# Altium PCB Wild FDD V1.1.PcbDoc
Units mm, origin at the board's own origin, x right, y up, seen from the top; angles counter-clockwise.
Board outline 53 x 19 mm, 4 copper layers (Top Layer, GND-Layer, VDD-Layer, Bottom Layer), stack 1.042 mm thick; 48 components, 83 nets, 253 pads, 108 vias.
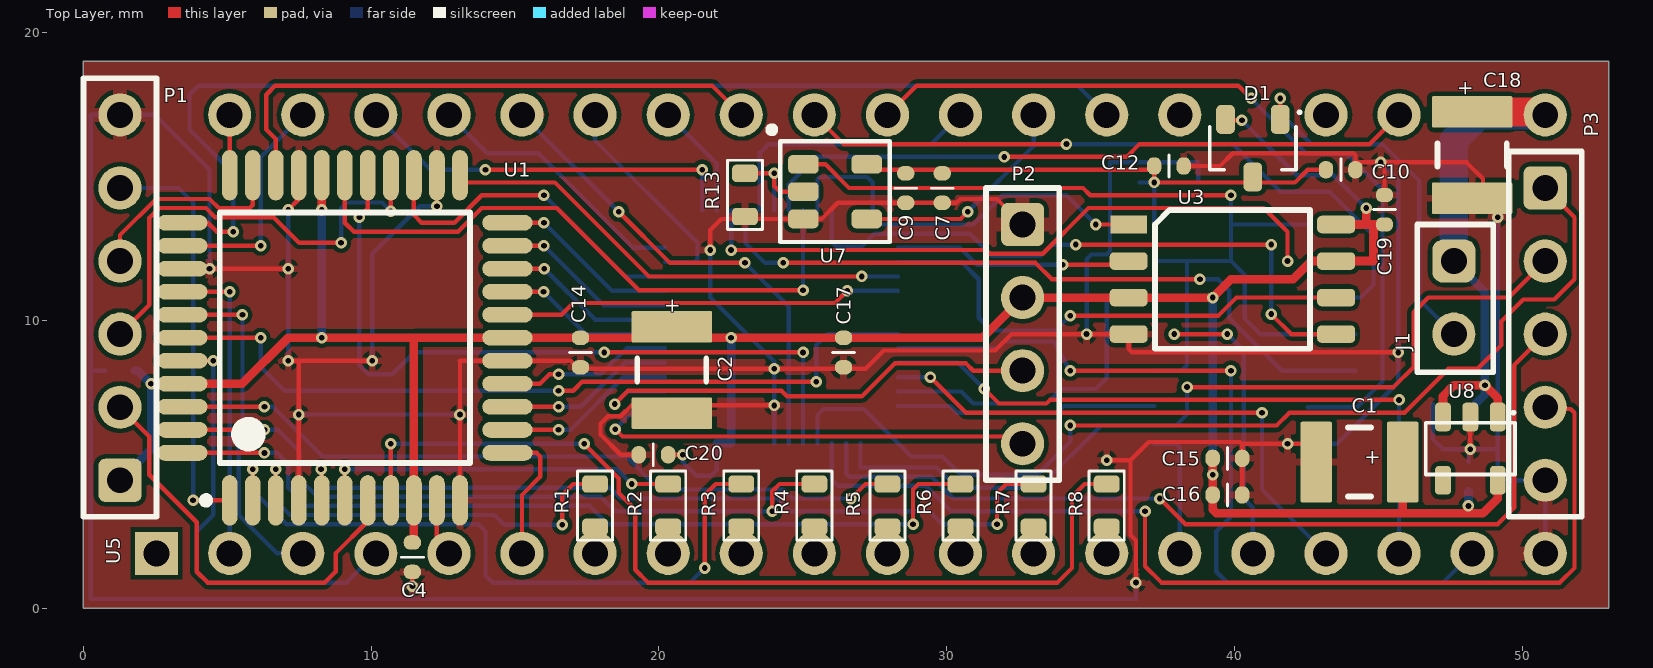
[diagram p0: Top Layer view]
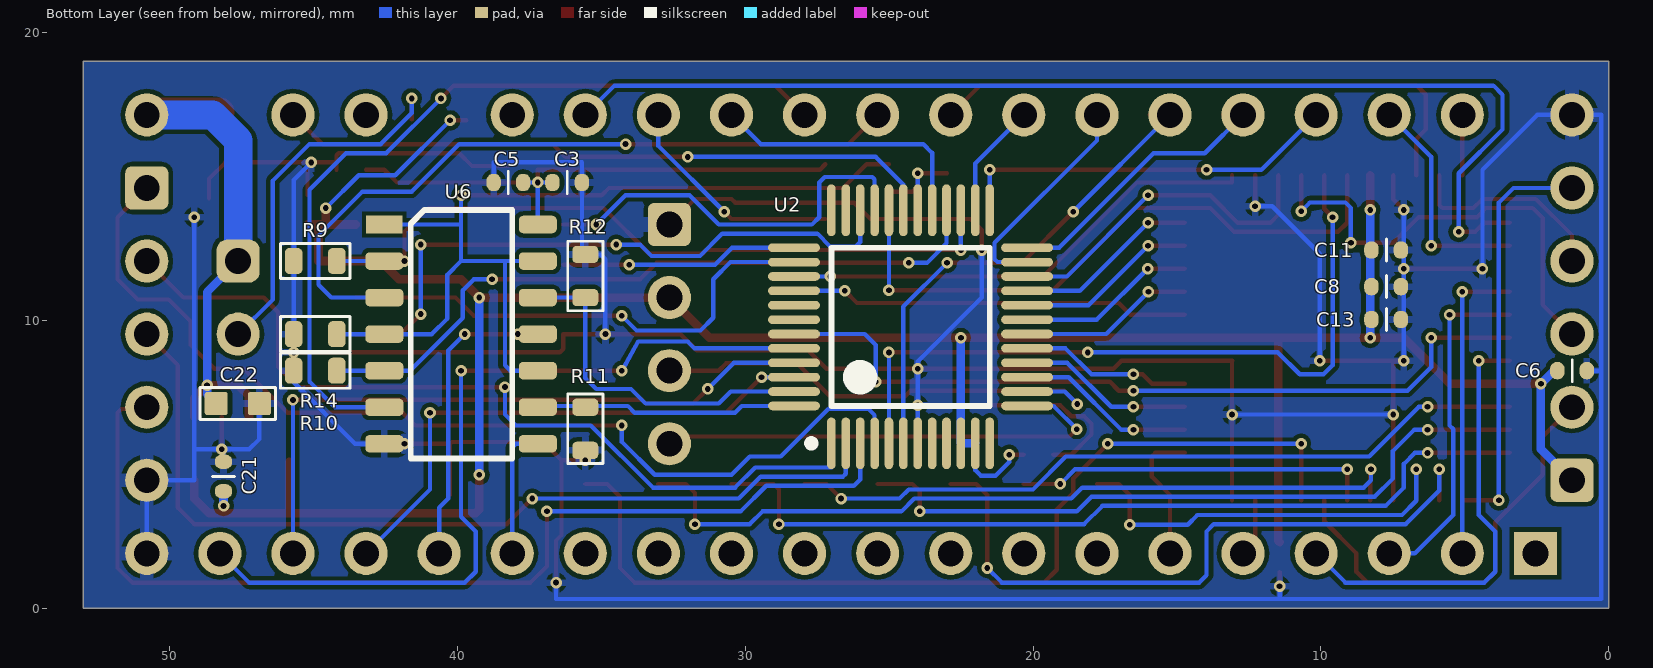
[diagram p1: Bottom Layer view, seen from below]
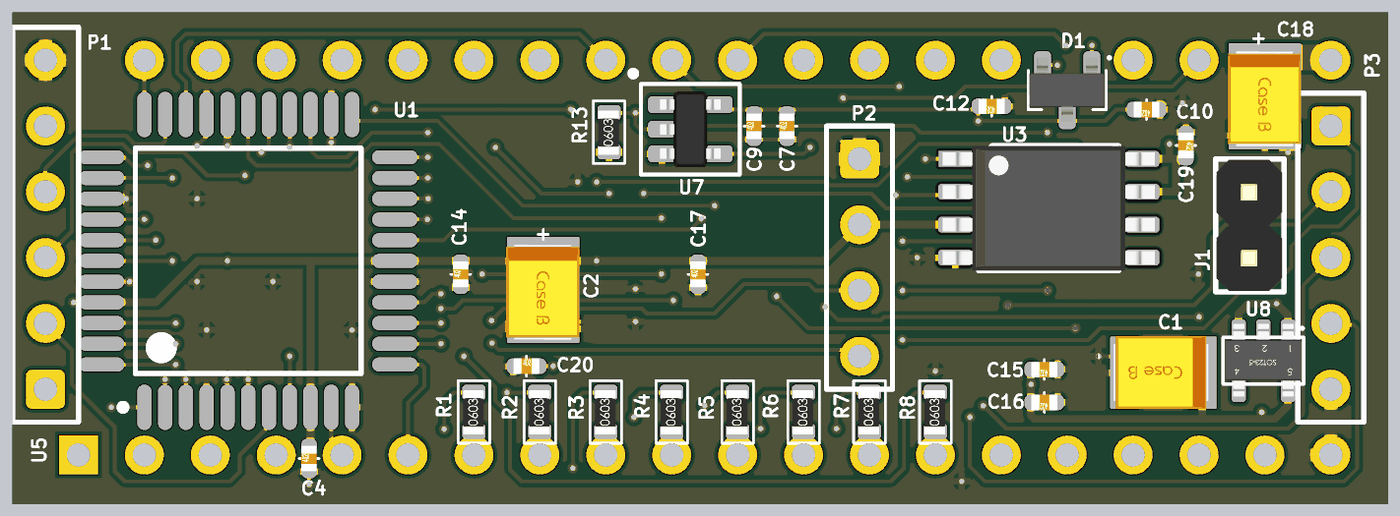
[diagram p2: 3D render of the assembled board from above, using the file's embedded part models]
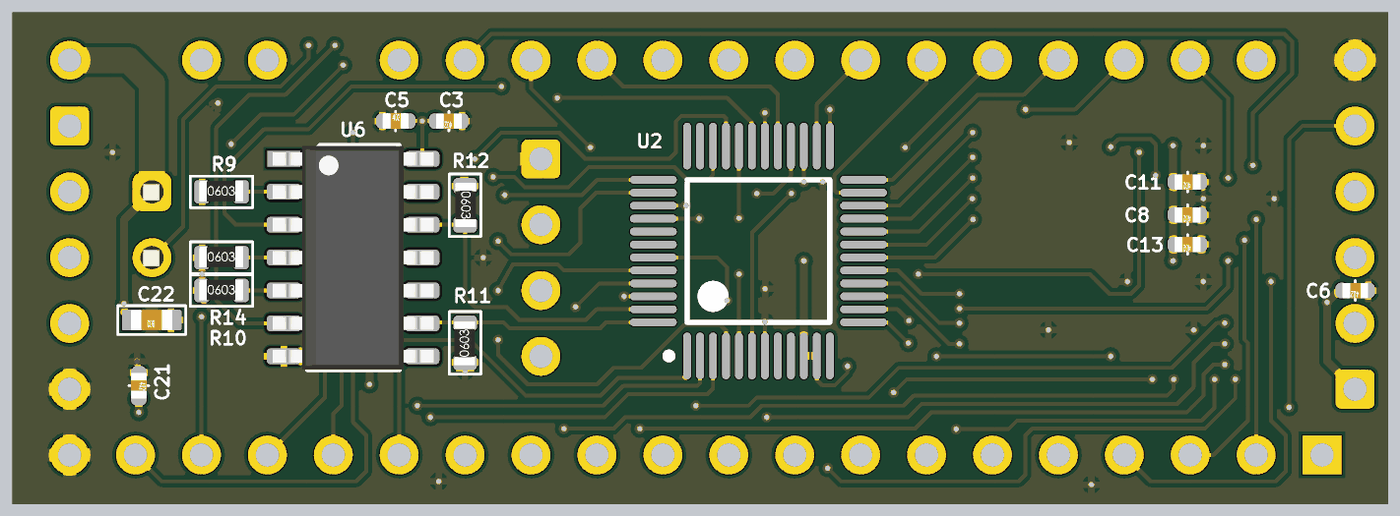
[diagram p3: 3D render of the assembled board from below, using the file's embedded part models]

## Layer stack, top to bottom
Top Layer: signal copper 0.0356
Dielectric: core 0.3, FR-4, Dk 4.8
GND-Layer: signal copper 0.0356
Dielectric: prepreg 0.3, FR-4, Dk 4.8
VDD-Layer: signal copper 0.0356
Dielectric: core 0.3, FR-4, Dk 4.8
Bottom Layer: signal copper 0.0356

## Board outline
0,0 0,19 53,19 53,0

## Design rules (kind name [scope] priority, off if disabled: settings)
Clearance [All] p1: gap=0.15
ComponentClearance [All] p1 off: gap=0.254 collisioncheckmode=3 verticalgap=0.25 showdistances=FALSE
FabricationTestPointUsage TestPointUsage [All] p1: valid=0 allowmultiple=FALSE
FabricationTestpoint Testpoint [All] p1: side=3 testpointundercomponent=TRUE minsize=1.016 maxsize=2.54 preferedsize=1.524 minholesize=0 maxholesize=1.016 preferedholesize=0.813 testpointgrid=0.025 allowsidetop=TRUE allowsidebottom=TRUE usegrid=TRUE gridtolerance=0
Height [All] p1 off: minheight=0 maxheight=25.4 prefheight=12.7
HoleSize [All] p1: absolutevalues=TRUE maxlimit=3.5 minlimit=0.2 maxpercent=80.000 minpercent=20.000
PolygonConnect PolygonConnect_BigHole [(IsVia And (HoleDiameter >= 0.4)) or (IsPad And (HoleDiameter >= 0.4))] p1: connectstyle=Relief reliefconductorwidth=0.5 reliefentries=4 polygonreliefangle="90 Angle"
PolygonConnect PolygonConnect_SmallHole [All] p2: connectstyle=Relief reliefconductorwidth=0.25 reliefentries=4 polygonreliefangle="90 Angle"
RoutingCorners [All] p1: cornerstyle=45-Degree minsetback=1 maxsetback=1
RoutingVias [All] p1: holewidth=0.4 width=0.6 viastyle="Through Hole" minholewidth=0.2 minwidth=0.4 maxholewidth=0.6 maxwidth=0.8
SilkscreenOverComponentPads [All] p1: minsilkscreentomaskgap=0.254
SolderMaskExpansion [All] p1: expansion=0.05
Width Width_GND [InNet('GND')] p1: maxlimit=2 minlimit=0.15 preferedwidth=0.3
Width Width_RFGSMC [InNet('RFGSMC')] p2: maxlimit=8 minlimit=0.15 preferedwidth=1.8
Width [All] p3: maxlimit=1 minlimit=0.15 preferedwidth=0.3
21 further rules are at their usual default settings.

## Components (designator, comment, footprint, x,y, rotation, side; value= is the part's Value field where it differs from the comment)
C1 "4.7uF" CAP_TAN_B 44.347,5.08 r180 top
C2 "4.7uF" CAP_TAN_B 20.447,8.279 r270 top
C3 "CAP" R1005_CAP 35.703,14.795 r0 bottom
C4 "CAP" R1005_CAP 11.43,1.286 r90 top
C5 "CAP" R1005_CAP 38.719,14.795 r180 bottom
C6 "CAP" R1005_CAP 0.778,8.255 r0 bottom
C7 "CAP" R1005_CAP 29.845,14.113 r90 top
C8 "CAP" R1005_CAP 7.239,11.176 r0 bottom
C9 "CAP" R1005_CAP 28.575,14.113 r90 top
C10 "CAP" R1005_CAP 44.18,15.24 r180 top
C11 "CAP" R1005_CAP 7.239,12.446 r0 bottom
C12 "CAP" R1005_CAP 38.211,15.367 r180 top
C13 "CAP" R1005_CAP 7.239,10.033 r0 bottom
C14 "CAP" R1005_CAP 17.272,8.398 r90 top
C15 "CAP" R1005_CAP 40.243,5.207 r180 top
C16 "CAP" R1005_CAP 40.243,3.937 r180 top
C17 "CAP" R1005_CAP 26.416,8.398 r90 top
C18 "4.7uF" CAP_TAN_B 48.26,15.748 r270 top
C19 "CAP" R1005_CAP 45.212,14.335 r270 top
C20 "CAP" R1005_CAP 19.32,5.334 r0 top
C21 "CAP" R1005_CAP 48.133,5.064 r270 bottom
C22 "1uF" R1608_CAP 46.887,7.112 r0 bottom
D1 "BAT54C" SOT23-1 40.64,15.986 r180 top
J1 "JUMPER" HDR1X2 47.625,12.065 r270 top locked
P1 "Altera JTAG" HDR1X6 1.27,4.445 r90 top locked
P2 "SiLabs JTAG-C2" HDR1X4 32.639,13.335 r270 top locked
P3 "UART" HDR1X5 50.8,14.605 r270 top locked
R1 "R" R1608_RES 17.78,2.818 r90 top
R2 "R" R1608_RES 20.32,2.818 r90 top
R3 "R" R1608_RES 22.86,2.818 r90 top
R4 "R" R1608_RES 25.4,2.818 r90 top
R5 "R" R1608_RES 27.94,2.818 r90 top
R6 "R" R1608_RES 30.48,2.818 r90 top
R7 "R" R1608_RES 33.02,2.818 r90 top
R8 "R" R1608_RES 35.56,2.818 r90 top
R9 "R" R1608_RES 45.696,12.065 r180 bottom
R10 "R" R1608_RES 45.696,8.255 r180 bottom
R11 "R" R1608_RES 35.56,5.485 r90 bottom
R12 "R" R1608_RES 35.56,12.295 r270 bottom
R13 "R" R1608_RES 22.987,13.613 r90 top
R14 "R" R1608_RES 45.696,9.525 r180 bottom
U1 "EPM3064ATC44-10N" TQFP44 9.082,9.398 r90 top locked
U2 "C8051F340-GQ" TQFP48 24.257,9.779 r90 bottom locked
U3 "FM25CLxx" SO8-200 39.929,11.43 r270 top locked
U5 "VG93" DIP40_VG93 2.54,1.905 r0 top locked
U6 "HC125" SO14-150 39.878,9.525 r270 bottom locked
U7 "sn74lvc1g125" SOT23-5 25.019,15.428 r0 top
U8 "TPS76333 / NCP551" SOT23-5D 48.199,5.545 r180 top

## Footprints (in the part's own frame and the unit in brackets; to place one, negate y for a bottom-side part, rotate by r counter-clockwise, add the part's x,y. Pads: shape width x height; smd on the part's side, far side on the other; paste and mask are expansions set on the pad)
CAP_TAN_B [mm] "Chip Capacitor, Body 3.2x2.5mm, IPC High Density"
  rrect10% 1.1x2.8 smd: 1(-1.5,0) 2(1.5,0)
  silkscreen extent -0.4,-1.2 0.4,1.2, body extent -1.75,-1.42 1.94,1.4, height 2.14
DIP40_VG93 [mm] "DIP; 40 Leads; Row Spacing 15.24 mm; Pitch 2.54 mm"
  rect 1.5x1.5 hole 0.9: 1(0,0)
  round 1.5 hole 0.9: 2(2.54,0) 3(5.08,0) 4(7.62,0) 5(10.16,0) 6(12.7,0) 7(15.24,0) 8(17.78,0) 9(20.32,0) 10(22.86,0) 11(25.4,0) 12(27.94,0) 13(30.48,0) 14(33.02,0) 15(35.56,0) 16(38.1,0) 17(40.64,0) 18(43.18,0) 19(45.72,0) 20(48.26,0) 21(48.26,15.24) 23(43.18,15.24) 24(40.64,15.24) 26(35.56,15.24) 27(33.02,15.24) 28(30.48,15.24) 29(27.94,15.24) 30(25.4,15.24) 31(22.86,15.24) 32(20.32,15.24) 33(17.78,15.24) 34(15.24,15.24) 35(12.7,15.24) 36(10.16,15.24) 37(7.62,15.24) 38(5.08,15.24) 39(2.54,15.24)
HDR1X2 [mm] "Connector; Header; 2x1 Position"
  rrect50% 1.5x1.5 hole 0.9: 1(0,0)
  round 1.5 hole 0.9: 2(2.54,0)
  silkscreen extent -1.27,-1.27 3.86,1.37, body extent -1.24,-1.24 3.84,1.3, height 8.54
HDR1X4 [mm] "Connector; Header; 4 Position"
  rrect30% 1.5x1.5 hole 0.9: 1(0,0)
  round 1.5 hole 0.9: 2(2.54,0) 3(5.08,0) 4(7.62,0)
  silkscreen extent -1.27,-1.27 8.89,1.27
HDR1X5 [mm] "Connector; Header; 5 Position"
  rrect30% 1.5x1.5 hole 0.9: 1(0,0)
  round 1.5 hole 0.9: 2(2.54,0) 3(5.08,0) 4(7.62,0) 5(10.16,0)
  silkscreen extent -1.27,-1.27 11.43,1.27
HDR1X6 [mm] "Connector; Header; 6 Position"
  rrect30% 1.5x1.5 hole 0.9: 1(0,0)
  round 1.5 hole 0.9: 2(2.54,0) 3(5.08,0) 4(7.62,0) 5(10.16,0) 6(12.7,0)
  silkscreen extent -1.27,-1.27 13.97,1.27
R1005_CAP [mm] "SMD CAP-0402"
  rrect90% 0.5x0.6 smd: 1(-0.025,0) 2(1,0)
  silkscreen extent 0.48,-0.38 0.48,0.38, body extent -0.02,-0.3 0.98,0.3, height 0.2
R1608_CAP [mm] "SMD CAP-0603"
  rrect20% 0.8x0.8 smd: 1(0,0) 2(1.5,0)
  silkscreen extent -0.56,-0.56 2.06,0.56, body extent -0.05,-0.4 1.55,0.4, height 0.3
R1608_RES [mm] "SMD RES-0603"
  rrect50% 0.6x0.9 smd: 1(0,0) 2(1.5,0)
  silkscreen extent -0.46,-0.61 1.96,0.61, body extent -0.11,-0.38 1.59,0.42, height 0.56
SO8-200 [mil]
  rect 24x50 smd mask+4: 1(-75,-142)
  rrect50% 24x52 smd mask+4: 2(-25,-142) 3(25,-142) 4(75,-142) 5(75,142) 6(25,142) 7(-25,142) 8(-75,142)
  silkscreen extent -95,-106 95,106, body extent -95,-161 95,161, height 67
SO14-150 [mil]
  rect 24x50 smd mask+4: 1(-150,-105)
  rrect50% 24x52 smd mask+4: 2(-100,-105) 3(-50,-105) 4(0,-105) 5(50,-105) 6(100,-105) 7(150,-105) 8(150,105) 9(100,105) 10(50,105) 11(0,105) 12(-50,105) 13(-100,105) 14(-150,105)
  silkscreen extent -170,-69 170,70, body extent -170,-122 170,122, height 67
SOT23-1 [mm] "SOT23, 3-Leads, Body 2.9x1.3mm, Pitch 0.95mm, Lead Span 2.5mm"
  rrect50% 0.65x1 smd: 1(-0.95,-1) 2(0.95,-1) 3(0,1)
  silkscreen extent -1.68,-1.3 1.5,0.75, body extent -1.46,-1.25 1.46,1.22, height 1
SOT23-5 [mm]
  rrect50% 1.06x0.65 smd: 1(0,0) 2(0,-0.95) 3(0,-1.9) 4(2.2,-1.9) 5(2.2,0)
  silkscreen extent -1.2,-2.7 3,1.3, body extent -0.07,-2.41 2.27,0.51, height 1
SOT23-5D [mm] "SOT23, 5-Leads, Body 2.9x1.3mm, Pitch 0.95mm, Lead Span 2.5mm"
  rrect50% 0.55x1 smd: 1(-0.95,-1.1) 2(0,-1.1) 3(0.95,-1.1) 4(0.95,1.1) 5(-0.95,1.1)
  silkscreen extent -1.55,-1.3 1.55,0.9, body extent -1.45,-1.42 1.45,1.38, height 1.09
TQFP44 [mm] "44-Pin Plastic Thin Quad Flat Pack (TFQP44), IPC Medium Density"
  oval 1.75x0.55 smd: 1(-5.65,4) 2(-5.65,3.2) 3(-5.65,2.4) 4(-5.65,1.6) 5(-5.65,0.8) 6(-5.65,0) 7(-5.65,-0.8) 8(-5.65,-1.6) 9(-5.65,-2.4) 10(-5.65,-3.2) 11(-5.65,-4) 23(5.65,-4) 24(5.65,-3.2) 25(5.65,-2.4) 26(5.65,-1.6) 27(5.65,-0.8) 28(5.65,0) 29(5.65,0.8) 30(5.65,1.6) 31(5.65,2.4) 32(5.65,3.2) 33(5.65,4)
  oval 0.55x1.75 smd: 12(-4,-5.65) 13(-3.2,-5.65) 14(-2.4,-5.65) 15(-1.6,-5.65) 16(-0.8,-5.65) 17(0,-5.65) 18(0.8,-5.65) 19(1.6,-5.65) 20(2.4,-5.65) 21(3.2,-5.65) 22(4,-5.65) 34(4,5.65) 35(3.2,5.65) 36(2.4,5.65) 37(1.6,5.65) 38(0.8,5.65) 39(0,5.65) 40(-0.8,5.65) 41(-1.6,5.65) 42(-2.4,5.65) 43(-3.2,5.65) 44(-4,5.65)
  silkscreen extent -5.77,-4.35 4.35,4.95, body extent -5,-5 5,5, height 1.2
TQFP48 [mm] "48-Pin Thin Quad Flat Pack 0.5 mm Pitch, IPC Medium Density"
  oval 1.8x0.3 smd: 1(-4.05,2.75) 2(-4.05,2.25) 3(-4.05,1.75) 4(-4.05,1.25) 5(-4.05,0.75) 6(-4.05,0.25) 7(-4.05,-0.25) 8(-4.05,-0.75) 9(-4.05,-1.25) 10(-4.05,-1.75) 11(-4.05,-2.25) 12(-4.05,-2.75) 25(4.05,-2.75) 26(4.05,-2.25) 27(4.05,-1.75) 28(4.05,-1.25) 29(4.05,-0.75) 30(4.05,-0.25) 31(4.05,0.25) 32(4.05,0.75) 33(4.05,1.25) 34(4.05,1.75) 35(4.05,2.25) 36(4.05,2.75)
  oval 0.3x1.8 smd: 13(-2.75,-4.05) 14(-2.25,-4.05) 15(-1.75,-4.05) 16(-1.25,-4.05) 17(-0.75,-4.05) 18(-0.25,-4.05) 19(0.25,-4.05) 20(0.75,-4.05) 21(1.25,-4.05) 22(1.75,-4.05) 23(2.25,-4.05) 24(2.75,-4.05) 37(2.75,4.05) 38(2.25,4.05) 39(1.75,4.05) 40(1.25,4.05) 41(0.75,4.05) 42(0.25,4.05) 43(-0.25,4.05) 44(-0.75,4.05) 45(-1.25,4.05) 46(-1.75,4.05) 47(-2.25,4.05) 48(-2.75,4.05)
  silkscreen extent -4.17,-2.75 2.75,3.58, body extent -3.5,-3.5 3.5,3.5, height 1.6

## Part data
C1 C2 C18: library part CAP_TAN_B, "CAP TAN Size C"
C3 C4 C5 C6 C7 C8 C9 C10 C11 C12 C13 C14 C15 C16 C17 C19 C20 C21: "Capacitor"
C22: library part CAP, "Capacitor"
D1: "Schottky Barrier Double Diode"
J1: "Crystal Oscillator"
P1: library part "Header 6", "Header, 6-Pin"
P2: library part "Header 4", "Header, 4-Pin"
P3: library part "Header 5", "Header, 5-Pin"
R1 R2 R3 R4 R5 R6 R7 R8 R9 R10 R11 R12 R13 R14: "Resistor"
U1: "MAX 3064A 3.3V CPLD, 34 IOs, 44-Pin Plastic TFQP, Commercial Temperature, Speed Grade 10, Pb-Free"
U2: "USB 8051 Microcontroller, 48MIPS, 64KiB Flash, 256Byte RAM + 4KiB XRAM, 1KiB USB FIFO, 64KiB EMIF, 12MHz +/-0.25% and 80kHz Internal Oscillator, 4-16bit Timer, 20CH 200ksps 10bit ADC, USB 2.0 FS/LS, 2 UART, I2C, SPI, PCA, 2 Comparator, LDO, 40GPIO."
U3: "FRAM SPI"
U5: "Connector For Wild FDD"
U6: "Quad buffer/line driver 3-state"
U7: "Single Buffer/Driver With Open-Drain Output"
U8: library part TPS76333, "300 mA, Low Voltage, Low Quiescent Current LDO Regulator, 5-Pin SOT-23, Extended Temperature, Tape and Reel"

## Via types
v1: diameter 0.4, hole 0.2, Top Layer to Bottom Layer, tented both sides, 108 vias

## Nets (pads, with @x,y where several pads share a name; then routed paths per layer and width w, separated by ;. In a path a pad name is that pad's centre, name@x,y a point inside that pad or via, vN(x,y) a via of type N, cw(c..) or ccw(c..) an arc to the next point about the centre after c; other vN are vias at no path point)
C2CK: P2.4 U2.13 | length 16.7
  Top Layer w0.15: v1(18.479,6.223) 18.732,5.969 32.639,5.969 P2.4
  Bottom Layer w0.15: v1(18.479,6.223) 19.285,7.029 U2.13 U2.13@20.11,7.029
C2D: P2.3 U2.14 | length 17
  Top Layer w0.15: v1(18.46,7.094) 18.922,7.556 20.193,7.556 20.195,7.554 24.259,7.554 24.447,7.366 27.051,7.366 28.194,8.509 30.67,8.509 30.924,8.255 P2.3
  Bottom Layer w0.15: v1(18.46,7.094) 18.895,7.529 U2.14
CPAD0: U1.25 U2.22 | length 11.8
  Top Layer w0.15: U1.25 11.482,13.664 11.747,13.399 12.89,13.399 13.843,14.351 v1(16.002,14.351)
  Bottom Layer w0.15: v1(16.002,14.351) 18.824,11.529 U2.22
CPAD1: U1.22 U2.21 | length 6.5
  Top Layer w0.15: U1.22 v1(16.002,13.399)
  Bottom Layer w0.15: v1(16.002,13.399) 18.372,11.029 U2.21
CPAD2: U1.21 U2.20 | length 6.3
  Top Layer w0.15: U1.21 v1(16.002,12.598)
  Bottom Layer w0.15: v1(16.002,12.598) 18.071,10.529 U2.20
CPAD3: U1.20 U2.19 | length 6.2
  Top Layer w0.15: U1.20 v1(16.015,11.798)
  Bottom Layer w0.15: v1(16.015,11.798) 17.784,10.029 U2.19
CPAD4: U1.19 U2.18 | length 6.1
  Top Layer w0.15: U1.19 v1(15.989,10.998)
  Bottom Layer w0.15: v1(15.989,10.998) 17.458,9.529 U2.18
CPAD5: U1.15 U2.17 | length 6
  Top Layer w0.15: U1.15 15.863,7.798 16.192,8.128 v1(16.51,8.128)
  Bottom Layer w0.15: v1(16.51,8.128) 17.97,8.128 18.872,9.029 U2.17
CPAD6: U1.14 U2.16 | length 6.1
  Top Layer w0.15: U1.14 v1(16.51,6.998)
  Bottom Layer w0.15: v1(16.51,6.998) 17.285,6.998 18.816,8.529 U2.16
CPAD7: U1.13 U2.15 | length 6.2
  Top Layer w0.15: U1.13 v1(16.51,6.198)
  Bottom Layer w0.15: v1(16.51,6.198) 16.929,6.198 18.76,8.029 U2.15
CPALE: U1.39 U2.43 | length 27.8
  Top Layer w0.15: U1.39 v1(6.159,9.398) ; v1(16.51,7.556) 17.018,7.556 17.335,7.874 v1(25.463,7.874)
  Bottom Layer w0.15: v1(6.159,9.398) 6.159,8.382 6.985,7.556 v1(16.51,7.556) ; v1(25.463,7.874) 25.463,9.144 25.849,9.529 U2.43
CPM_0: U2.35
CPM_1: U2.36
CPMISO: U2.37 U3.2 | length 8.3
  Top Layer w0.15: v1(34.036,11.938) U3.2@36.322,11.938
  Bottom Layer w0.15: U2.37 30.461,12.529 31.051,11.938 v1(34.036,11.938)
CPMOSI: U2.34 U3.5 | length 22.1
  Top Layer w0.15: v1(34.48,12.636) v1(41.275,12.636) ; v1(41.275,10.223) 41.974,9.525 U3.5
  Bottom Layer w0.15: U2.34 26.007,12.728 26.162,12.573 27.051,12.573 27.495,13.018 30.797,13.018 31.577,12.238 33.256,12.238 33.655,12.636 v1(34.48,12.636) ; v1(41.275,10.223) v1(41.275,12.636)
CPNSS: U2.33 U3.1 | length 14.2
  Top Layer w0.15: v1(35.179,13.335) U3.1
  Bottom Layer w0.15: U2.33 25.507,14.903 25.59,14.986 27.241,14.986 27.432,14.795 27.432,13.589 27.686,13.335 30.924,13.335 31.941,14.351 34.163,14.351 v1(35.179,13.335)
CPRD: U1.18 U2.40 | length 13.9
  Top Layer w0.15: U1.18 16.612,10.198 17.018,10.604 26.118,10.604 v1(26.543,11.029)
  Bottom Layer w0.15: v1(26.543,11.029) U2.40
CPRFREQ: U1.28 U2.32 | length 22
  Top Layer w0.15: U1.28 9.082,13.397 9.398,13.081 13.018,13.081 13.843,13.906 16.447,13.906 19.304,11.049 v1(25.007,11.049)
  Bottom Layer w0.15: v1(25.007,11.049) U2.32
CPRINT: U1.27 U2.5 | length 25.8
  Top Layer w0.15: v1(9.588,13.589) 9.882,13.882 U1.27 ; v1(18.098,8.89) v1(25.007,8.89)
  Bottom Layer w0.15: v1(9.588,13.589) 9.588,8.441 9.902,8.128 10.731,8.128 11.493,8.89 v1(18.098,8.89) ; U2.5 v1(25.007,8.89)
CPSCK: U2.38 U3.6 | length 17.5
  Top Layer w0.15: v1(34.29,10.16) 39.433,10.16 40.069,10.795 U3.6
  Bottom Layer w0.15: U2.38 30.516,12.029 31.115,11.43 31.115,10.096 31.559,9.652 33.782,9.652 v1(34.29,10.16)
CPWR: U1.23 U2.39 | length 16.8
  Top Layer w0.15: U1.23 13.082,14.795 16.383,14.795 19.649,11.529 v1(27.051,11.529)
  Bottom Layer w0.15: v1(27.051,11.529) U2.39
GND: C1.2 C2.2 C3.1 C4.1 C5.1 C6.1 C7.1 C8.1 C9.1 C10.1 C11.1 C12.1 C13.1 C14.1 C15.1 C16.1 C17.1 C18.2 C19.1 C20.1 C21.1 C22.1 P1.6 P2.1 P3.5 R9.1 R10.1 R11.1 R12.1 R13.1 R14.1 U1.4 U1.11 U1.16 U1.24 U1.30 U1.36 U2.7 U3.4 U5.20 U6.7 U7.3 U8.2 | length 229.6
  Top Layer w0.15: v1(4.381,11.798) v1(7.112,11.798) ; v1(7.112,8.598) 7.482,8.598 ; v1(7.112,13.843) 7.482,14.213 U1.30 ; U1.4 v1(7.482,6.731) 7.482,8.598 ; v1(10.033,8.598) 7.482,8.598 ; v1(11.43,0.762) C4.1 ; v1(12.282,13.97) U1.24 ; U1.11 v1(13.082,6.731) 13.082,8.597 13.081,8.598 U1.16 16.929,8.598 17.209,8.319 17.272,8.319 v1(24.003,8.319) 26.416,8.319 27.178,8.319 27.813,8.954 31.686,8.954 32.258,9.525 v1(34.861,9.525) U3.4 36.322,9.017 36.449,8.89 v1(45.696,8.89) ; C20.1 18.669,5.334 17.97,6.032 17.97,6.413 18.224,6.667 18.668,6.667 19.049,7.048 20.447,7.048 v1(24.007,7.048) ; v1(21.78,12.446) 21.78,13.144 22.164,13.528 22.987,13.528 U7.3 25.651,13.528 26.211,14.088 C9.1 C7.1 30.344,14.088 30.48,14.224 31.75,14.224 P2.1 ; v1(35.56,5.143) 36.386,5.143 ; v1(36.576,0.889) 36.576,2.349 36.386,2.54 36.386,5.143 ; C12.1 39.497,15.367 39.941,15.811 44.133,15.811 44.205,15.739 C10.1@44.205,15.494 ; C16.1 C15.1 40.268,5.706 40.259,5.715 ; C1.2@42.847,5.715 v1(41.846,5.715) 40.259,5.715 ; C10.1 C10.1@44.205,15.494 ; C19.1 45.212,15.367 v1(45.085,15.494) ; v1(48.199,5.524) U8.2 ; C18.2@48.641,14.248 48.641,14.922 48.069,15.494 v1(45.085,15.494) ; 36.386,5.143 37.02,5.779 40.195,5.779 40.259,5.715 ; C10.1@44.205,15.494 v1(45.085,15.494)
  Bottom Layer w0.15: C6.1 0.254,8.255 ; v1(4.381,11.798) 4.381,15.24 2.476,17.145 P1.6 0.254,17.145 0.254,8.255 ; v1(7.112,8.598) 7.112,10.033 C13.1@7.112,10.287 ; 7.112,10.541 C13.1@7.112,10.287 ; v1(7.112,13.843) 7.112,12.446 v1(7.112,11.798) 7.112,11.176 C13.1@7.112,10.287 ; v1(7.482,6.731) v1(13.082,6.731) ; v1(10.033,8.598) 10.033,12.319 11.684,13.97 v1(12.282,13.97) ; v1(11.43,0.762) 11.43,0.318 ; v1(21.78,12.446) 21.78,10.795 24.003,8.572 v1(24.003,8.319) 24.007,8.314 v1(24.007,7.048) U2.7 ; v1(34.861,9.525) 34.861,12.128 35.028,12.295 R12.1 35.678,12.413 C3.1 35.678,15.494 38.744,15.494 C5.1 ; v1(36.576,0.889) 36.576,0.318 11.43,0.318 ; v1(41.846,5.715) U6.7 43.561,5.715 45.696,7.85 R10.1 v1(45.696,8.89) R14.1 R9.1 45.696,14.883 v1(45.085,15.494) ; C22.1 46.887,5.882 47.244,5.524 v1(48.199,5.524) ; C21.1 48.133,5.459 v1(48.199,5.524) ; v1(49.149,13.589) 49.149,5.524 ; U5.20 P3.5 49.149,4.445 49.149,5.524 ; 0.254,8.255 0.254,0.318 11.43,0.318 ; v1(48.199,5.524) 49.149,5.524
MCTS: P3.4 U2.3 | length 36.4
  Top Layer w0.15: v1(36.893,3.365) 36.893,1.46 37.465,0.889 51.308,0.889 51.816,1.397 51.816,6.794 51.689,6.921 50.863,6.921 P3.4
  Bottom Layer w0.15: U2.3 26.007,4.473 26.226,4.255 29.273,4.255 30.162,3.365 v1(36.893,3.365)
MRTS: P3.1 U2.4 | length 36.1
  Top Layer w0.15: v1(34.29,6.35) 41.465,6.35 41.91,6.794 45.91,6.794 47.434,8.319 48.45,8.319 49.276,9.144 49.276,9.97 50.038,10.731 51.117,10.731 51.816,11.43 51.816,13.589 P3.1 P3.1@50.8,14.034
  Bottom Layer w0.15: U2.4 25.507,6.711 25.717,6.921 27.114,6.921 28.765,5.271 29.845,5.271 30.48,4.635 33.147,4.635 34.29,5.779 v1(34.29,6.35)
MRX: P3.2 U2.1 | length 29.9
  Top Layer w0.15: v1(38.354,7.683) 45.529,7.683 46.228,8.382 46.228,10.287 46.736,10.795 49.53,10.795 P3.2
  Bottom Layer w0.15: U2.1 27.007,4.889 29.654,4.889 30.353,4.191 33.21,4.191 35.369,6.35 37.973,6.35 38.354,6.731 v1(38.354,7.683)
MTX: P3.3 U2.2 | length 31.7
  Top Layer w0.15: v1(37.401,3.81) 38.291,2.921 49.149,2.921 49.721,3.492 49.721,8.446 P3.3
  Bottom Layer w0.15: U2.2 26.507,4.671 26.607,4.572 29.464,4.572 30.226,3.81 v1(37.401,3.81)
NetD1_1: D1.1 J1.2 | length 12.9
  Top Layer w0.15: D1.1 41.593,16.989 v1(41.593,17.716)
  Bottom Layer w0.15: v1(41.593,17.716) 41.593,17.209 42.672,16.129 45.148,16.129 46.419,14.859 46.419,10.731 J1.2
NetR1_1: R1.1 U5.7
NetR2_1: R2.1 U5.8
NetR3_1: R3.1 U5.9
NetR4_1: R4.1 U5.10
NetR5_1: R5.1 U5.11
NetR6_1: R6.1 U5.12
NetR7_1: R7.1 U5.13
NetR8_1: R8.1 U5.14
TCK: P1.3 U1.26 | length 16.2
  Top Layer w0.15: P1.3 2.286,10.541 2.286,13.559 2.633,13.906 4.255,13.906 4.572,13.589 6.604,13.589 7.493,12.7 v1(8.954,12.7) ; v1(10.682,13.794) U1.26
  Bottom Layer w0.15: v1(8.954,12.7) 8.954,13.906 9.144,14.097 10.379,14.097 v1(10.682,13.794)
TDI: P1.5 U1.1 | length 14.4
  Top Layer w0.15: v1(3.81,3.748) U1.1
  Bottom Layer w0.15: P1.5 3.302,14.605 3.81,14.097 v1(3.81,3.748)
TDO: P1.4 U1.32 | length 7.2
  Top Layer w0.15: P1.4 1.27,12.967 2.527,14.224 4.381,14.224 4.699,13.906 5.779,13.906 5.882,14.01 U1.32
TMS: P1.2 U1.7 | length 14.9
  Top Layer w0.15: P1.2 2.286,5.969 2.286,4.635 3.937,2.984 3.937,1.27 4.318,0.889 8.382,0.889 8.763,1.27 8.763,1.905 9.882,3.024 U1.7
USBDM(D-): U2.9
USBDP(D+): U2.8
V_OEX: R14.2 U6.1 U6.4 U6.10 U6.13 U7.1 | length 34
  Top Layer w0.15: U7.1 25.783,15.428 26.607,14.605 34.734,14.605 34.989,14.351 v1(39.878,14.351)
  Bottom Layer w0.15: U6.10 38.163,8.255 38.354,8.445 38.354,12.065 ; U6.13 38.354,12.065 ; v1(39.878,14.351) 39.878,13.335 ; U6.1 39.878,13.335 ; R14.2 U6.4 40.894,9.525 40.354,10.065 40.354,11.589 39.878,12.065 ; 38.354,12.065 39.878,12.065 ; 39.878,12.065 39.878,13.335
VBUS: U2.12
VCC3.3: C1.1 C2.1 C4.2 C6.2 C8.2 C11.2 C13.2 C14.2 C15.2 C16.2 C17.2 C19.2 C20.2 C21.2 D1.2 P1.1 P2.2 U1.9 U1.17 U1.29 U1.41 U2.10 U2.11 U3.3 U3.7 U3.8 U8.5 | length 99.9
  Top Layer w0.15: C20.2 v1(20.828,5.334) ; D1.2@39.688,16.954 39.69,16.954 v1(40.259,16.954)
  Top Layer w0.3: v1(2.349,7.798) U1.41 5.512,7.798 7.112,9.398 v1(8.282,9.398) 11.493,9.398 ; v1(8.282,13.843) U1.29 ; C4.2 11.482,2.338 U1.9 11.482,9.386 11.493,9.398 ; C15.2 v1(39.243,4.635) C16.2 39.243,3.429 39.376,3.296 45.847,3.296 ; U3.8 44.577,13.335 ; v1(44.577,13.906) 44.577,13.335 ; C19.2 44.831,13.335 ; C1.1 45.847,3.296 ; v1(48.133,3.556) 48.133,3.296 ; U8.5 49.149,3.81 48.635,3.296 48.133,3.296 ; 11.493,9.398 U1.17 C14.2 20.447,9.398 v1(22.507,9.398) C17.2 31.242,9.398 P2.2 U3.3 v1(39.243,10.795) 39.878,11.43 42.037,11.43 42.672,12.065 U3.7 44.831,12.065 44.831,13.335 ; 44.577,13.335 44.831,13.335 ; 45.847,3.296 48.133,3.296
  Bottom Layer w0.15: v1(20.828,5.334) 20.828,5.08 21.304,4.604 21.812,4.604 22.007,4.798 U2.11 ; v1(40.259,16.954) 42.164,15.05 43.434,15.05 v1(44.577,13.906)
  Bottom Layer w0.3: P1.1 2.349,5.524 v1(2.349,7.798) 1.892,8.255 C6.2 ; v1(8.282,9.398) 8.282,10.033 8.282,11.176 8.282,12.446 v1(8.282,13.843) ; U2.11 U2.10 v1(22.507,9.398) ; v1(39.243,4.635) v1(39.243,10.795) ; v1(48.133,3.556) C21.2
VCC5: C18.1 C22.2 J1.1 U5.21 U8.1 U8.3 | length 19.5
  Top Layer w0.3: U8.3 47.249,7.371 47.625,7.747 v1(48.704,7.747) 49.149,7.302 U8.1
  Top Layer w1: C18.1 50.697,17.248 U5.21
  Bottom Layer w0.3: J1.1 48.704,10.986 v1(48.704,7.747) 48.704,7.429 C22.2
  Bottom Layer w1: J1.1 47.625,16.256 48.514,17.145 U5.21
VCCPER: C3.2 C5.2 C7.2 C9.2 C10.2 C12.2 D1.3 U6.14 U7.5 | length 19.1
  Top Layer w0.15: U7.5 27.407,15.24 28.575,15.24 29.845,15.24 37.211,15.24 v1(37.211,14.795) 40.64,14.795 42.1,14.795 42.545,15.24 C10.2
  Bottom Layer w0.15: C3.2 v1(37.211,14.795) C5.2 ; U6.14 v1@37.211,14.732
VGA0: U1.10 U5.5 | length 2
  Top Layer w0.15: U1.10 12.282,2.323 U5.5
VGA1: U1.12 U5.6 | length 4.8
  Top Layer w0.15: U1.12 15.747,5.398 15.875,5.271 15.875,4.572 15.24,3.937 U5.6
VGCS: U1.38 U5.3 | length 11.9
  Top Layer w0.15: U1.38 v1(5.524,10.198)
  Bottom Layer w0.15: v1(5.524,10.198) 5.524,6.35 5.397,6.223 5.397,3.238 6.731,1.905 U5.3
VGD0: R1.2 U1.3 | length 14.8
  Top Layer w0.15: U1.3 v1(6.682,4.826) ; v1(16.637,2.903) 16.637,3.937 17.018,4.318 R1.2
  Bottom Layer w0.15: v1(6.682,4.826) 6.682,3.732 7.175,3.238 14.287,3.238 14.623,2.903 v1(16.637,2.903)
VGD1: R2.2 U1.6 | length 12.5
  Top Layer w0.15: U1.6 v1(9.082,4.826) ; v1(19.05,4.318) R2.2
  Bottom Layer w0.15: v1(9.082,4.826) 18.542,4.826 v1(19.05,4.318)
VGD2: R3.2 U1.2 | length 23.9
  Top Layer w0.15: U1.2 v1(5.882,4.826) ; v1(21.59,1.397) 21.59,3.937 21.971,4.318 R3.2
  Bottom Layer w0.15: v1(5.882,4.826) 5.882,4.088 7.048,2.921 13.716,2.921 13.97,2.667 13.97,1.143 14.224,0.889 21.082,0.889 v1(21.59,1.397)
VGD3: R4.2 U1.43 | length 24.5
  Top Layer w0.15: U1.43 v1(6.286,6.198) ; v1(23.939,3.365) 23.939,4.064 24.194,4.318 R4.2
  Bottom Layer w0.15: v1(6.286,6.198) 6.756,6.198 7.493,5.461 7.493,4.508 8.128,3.873 17.97,3.873 18.479,3.365 v1(23.939,3.365)
VGD4: R5.2 U1.42 | length 26
  Top Layer w0.15: U1.42 v1(6.286,6.998) ; v1(26.67,3.81) 27.178,4.318 R5.2
  Bottom Layer w0.15: v1(6.286,6.998) 6.591,6.998 8.319,5.271 18.86,5.271 20.002,4.127 24.32,4.127 24.638,3.81 v1(26.67,3.81)
VGD5: R6.2 U1.44 | length 29.8
  Top Layer w0.15: U1.44 v1(6.286,5.398) ; v1(28.829,2.921) 28.829,4.127 29.019,4.318 R6.2
  Bottom Layer w0.15: v1(6.286,5.398) 6.73,5.398 7.112,5.016 7.112,4.191 7.747,3.556 17.59,3.556 18.224,2.921 v1(28.829,2.921)
VGD6: R7.2 U1.5 | length 28.1
  Top Layer w0.15: U1.5 v1@8.282,4.826 ; v1(31.75,2.921) 31.75,4 32.067,4.318 R7.2
  Bottom Layer w0.15: v1(8.255,4.826) 8.255,4.445 8.509,4.191 18.288,4.191 18.669,3.81 24.13,3.81 24.575,3.365 29.4,3.365 29.845,2.921 v1(31.75,2.921)
VGD7: R8.2 U1.8 | length 33.2
  Top Layer w0.15: U1.8 v1(10.682,5.715) ; v1(17.399,5.715) 18.605,4.508 18.605,4 19.177,3.429 19.177,1.333 19.621,0.889 33.846,0.889 34.353,1.397 34.353,3.873 34.798,4.318 R8.2
  Bottom Layer w0.15: v1(10.682,5.715) v1(17.399,5.715)
VGDDEN: U2.25 U5.37 | length 13.5
  Top Layer w0.15: v1(13.97,15.24) v1(21.507,15.24)
  Bottom Layer w0.15: U5.37 12.065,15.24 v1(13.97,15.24) ; U2.25 v1(21.507,15.24)
VGDRQ: U1.35 U5.38 | length 7.9
  Top Layer w0.15: U1.35 v1(6.159,12.598)
  Bottom Layer w0.15: v1(6.159,12.598) 6.159,15.684 U5.38
VGF_DIRC: U5.16 U6.11 | length 9.9
  Top Layer w0.15: v1(37.91,9.525) v1(39.751,9.525)
  Bottom Layer w0.15: v1(39.751,9.525) 40.322,8.954 40.322,3.81 40.64,3.492 U5.16 U5.16@40.576,1.905
VGF_EARLY: U2.46 U5.17 | length 19
  Top Layer w0.15: v1(29.436,8.029) 30.67,6.794 v1(40.957,6.794)
  Bottom Layer w0.15: U2.46 v1(29.436,8.029) ; v1(40.957,6.794) 40.957,4.127 U5.17
VGF_HLD: U5.28 U7.4 | length 7.9
  Top Layer w0.15: U7.4 30.483,13.528 v1(30.734,13.779)
  Bottom Layer w0.15: v1(30.734,13.779) 33.02,16.066 U5.28
VGF_HLT: U2.31 U5.23 | length 23.1
  Top Layer w0.15: v1(32.004,15.684) 36.258,15.684 36.703,16.129 44.704,16.129 U5.23
  Bottom Layer w0.15: U2.31 24.507,14.728 25.463,15.684 v1(32.004,15.684)
VGF_INDEX: U2.6 U5.35 | length 17.5
  Top Layer w0.15: U5.35 U5.35@15.938,17.145 ; v1(18.605,13.779) 20.383,12.002 v1(22.987,12.002)
  Bottom Layer w0.15: U5.35 v1(18.605,13.779) ; v1(22.987,12.002) 24.507,10.482 U2.6
VGF_LATE: U2.45 U5.18 | length 23.4
  Top Layer w0.15: v1(31.305,7.62) 31.813,7.112 33.465,7.112 33.591,7.239 v1(45.72,7.239)
  Bottom Layer w0.15: U2.45 30.396,8.529 v1(31.305,7.62) ; U5.18 v1(45.72,7.239)
VGF_RAWRD: U1.34 U5.27 | length 39.7
  Top Layer w0.15: U1.34 4.319,13.398 4.635,13.081 v1(5.207,13.081)
  Bottom Layer w0.15: v1(5.207,13.081) 5.207,15.113 3.683,16.637 3.683,17.843 4,18.161 34.544,18.161 U5.27
VGF_READY: U1.31 U5.32 | length 20
  Top Layer w0.15: U1.31 6.682,16.305 6.35,16.637 6.35,17.843 6.667,18.161 21.844,18.161 U5.32
VGF_STEP: U5.15 U6.8 | length 4.6
  Bottom Layer w0.15: U6.8 37.973,5.715 38.1,5.588 U5.15
VGF_TG43: U2.29 U5.29 | length 9.5
  Bottom Layer w0.15: U2.29 23.507,15.824 23.812,16.129 29.464,16.129 U5.29
VGF_TR00: U2.23 U5.34 | length 7.7
  Bottom Layer w0.15: U5.34 17.78,16.256 21.336,12.7 21.336,12.128 21.237,12.029 U2.23
VGF_WD: U5.31 U6.3 | length 25.4
  Top Layer w0.15: U5.31 26.416,16.129 v1(34.163,16.129)
  Bottom Layer w0.15: v1(34.163,16.129) 39.941,16.129 41.593,14.478 43.307,14.478 44.831,12.954 44.831,11.239 44.386,10.795 U6.3
VGF_WF: U2.26 U5.33 | length 4
  Bottom Layer w0.15: U5.33 22.007,15.458 U2.26
VGF_WG: U5.30 U6.6 | length 28.8
  Top Layer w0.15: U5.30 28.956,18.161 40.132,18.161 v1(40.576,17.716)
  Bottom Layer w0.15: v1(40.576,17.716) 42.481,15.811 43.878,15.811 45.148,14.541 45.148,7.874 44.259,6.985 U6.6
VGF_WPRT: U2.24 U5.36 | length 10.1
  Top Layer w0.15: U5.36 U5.36@13.399,17.145
  Bottom Layer w0.15: U5.36 14.034,15.811 15.811,15.811 19.094,12.529 U2.24
VGFXDIRC: R12.2 U2.47 U6.12 | length 12.2
  Bottom Layer w0.15: U2.47 30.508,7.529 30.924,7.112 33.465,7.112 33.972,7.62 35.179,7.62 35.56,8.001 R12.2 U6.12
VGFXHLD: R13.2 U2.30 U7.2 | length 3.8
  Top Layer w0.15: R13.2 v1(24.007,15.113) 24.003,15.109 24.003,14.668 24.194,14.478 U7.2
  Bottom Layer w0.15: U2.30 v1(24.007,15.113)
VGFXSTEP: R11.2 U2.48 U6.9 | length 9.1
  Bottom Layer w0.15: U2.48 30.12,7.029 30.355,6.794 33.846,6.794 34.08,7.029 35.56,7.029 U6.9@37.211,7.029
VGFXWD: R9.2 U2.27 U6.2 | length 24.4
  Top Layer w0.15: v1(22.507,12.446) 31.369,12.446 31.496,12.319 33.337,12.319 34.925,13.906 41.021,13.906 41.846,13.081 v1(41.846,12.065)
  Bottom Layer w0.15: v1(22.507,12.446) U2.27 ; U6.2 R9.2
VGFXWG: R10.2 U2.28 U6.5 | length 24.7
  Top Layer w0.15: v1(24.32,12.002) 33.084,12.002 33.655,11.43 v1(38.798,11.43)
  Bottom Layer w0.15: U2.28 23.007,12.68 23.685,12.002 v1(24.32,12.002) ; v1(38.798,11.43) 39.433,11.43 39.814,11.049 39.814,10.096 41.656,8.255 U6.5 R10.2
VGINTRQ: U1.33 U5.39 | length 2.1
  Top Layer w0.15: U5.39 5.082,17.143 U1.33
VGRE: U1.40 U5.4 | length 15.4
  Top Layer w0.15: U1.40 v1(4.508,8.598)
  Bottom Layer w0.15: v1(4.508,8.598) 4.508,3.238 3.937,2.667 3.937,1.27 4.318,0.889 9.144,0.889 U5.4
VGRES: U2.44 U5.19 | length 28.9
  Top Layer w0.15: v1(34.29,8.255) v1(39.878,8.255)
  Bottom Layer w0.15: U2.44 31.762,9.029 32.004,9.271 33.718,9.271 v1(34.29,8.255) ; v1(39.878,8.255) 39.878,3.175 39.37,2.667 39.37,1.27 39.751,0.889 47.244,0.889 U5.19
VGWE: U1.37 U5.2 | length 10.7
  Top Layer w0.15: U1.37 v1(5.08,10.998)
  Bottom Layer w0.15: U5.2 v1(5.08,10.998)
pads on no net: U2.41 U2.42 U5.1 U5.24 U5.26 U8.4

## Polygon pours and split planes (outlines as drawn)
GND on Bottom Layer "Bottom Layer-No Net" (solid, remove dead copper, pour order 1000): 0,0 0,19 53,19 53,0
GND on Top Layer "Bottom Layer-No Net" (solid, remove dead copper, pour order 1001): 0,0 0,19 53,19 53,0

## Silkscreen, mask and mechanical layers (free items; w line width, h text height)
BoardOutLine:
  the board outline again, w0.254

## Text inside footprints (layer, text, board x,y; h text height)
C1: Top Overlay "+" at 45.085,5.461 h0.5 r180
C2: Top Overlay "+" at 20.256,10.795 h0.5 r270
C18: Top Overlay "+" at 47.816,18.351 h0.5 r270